# Allegro board A523-EVB-AXP717C-LPDDR4-4X-32X1-V1-0.brd (continued)
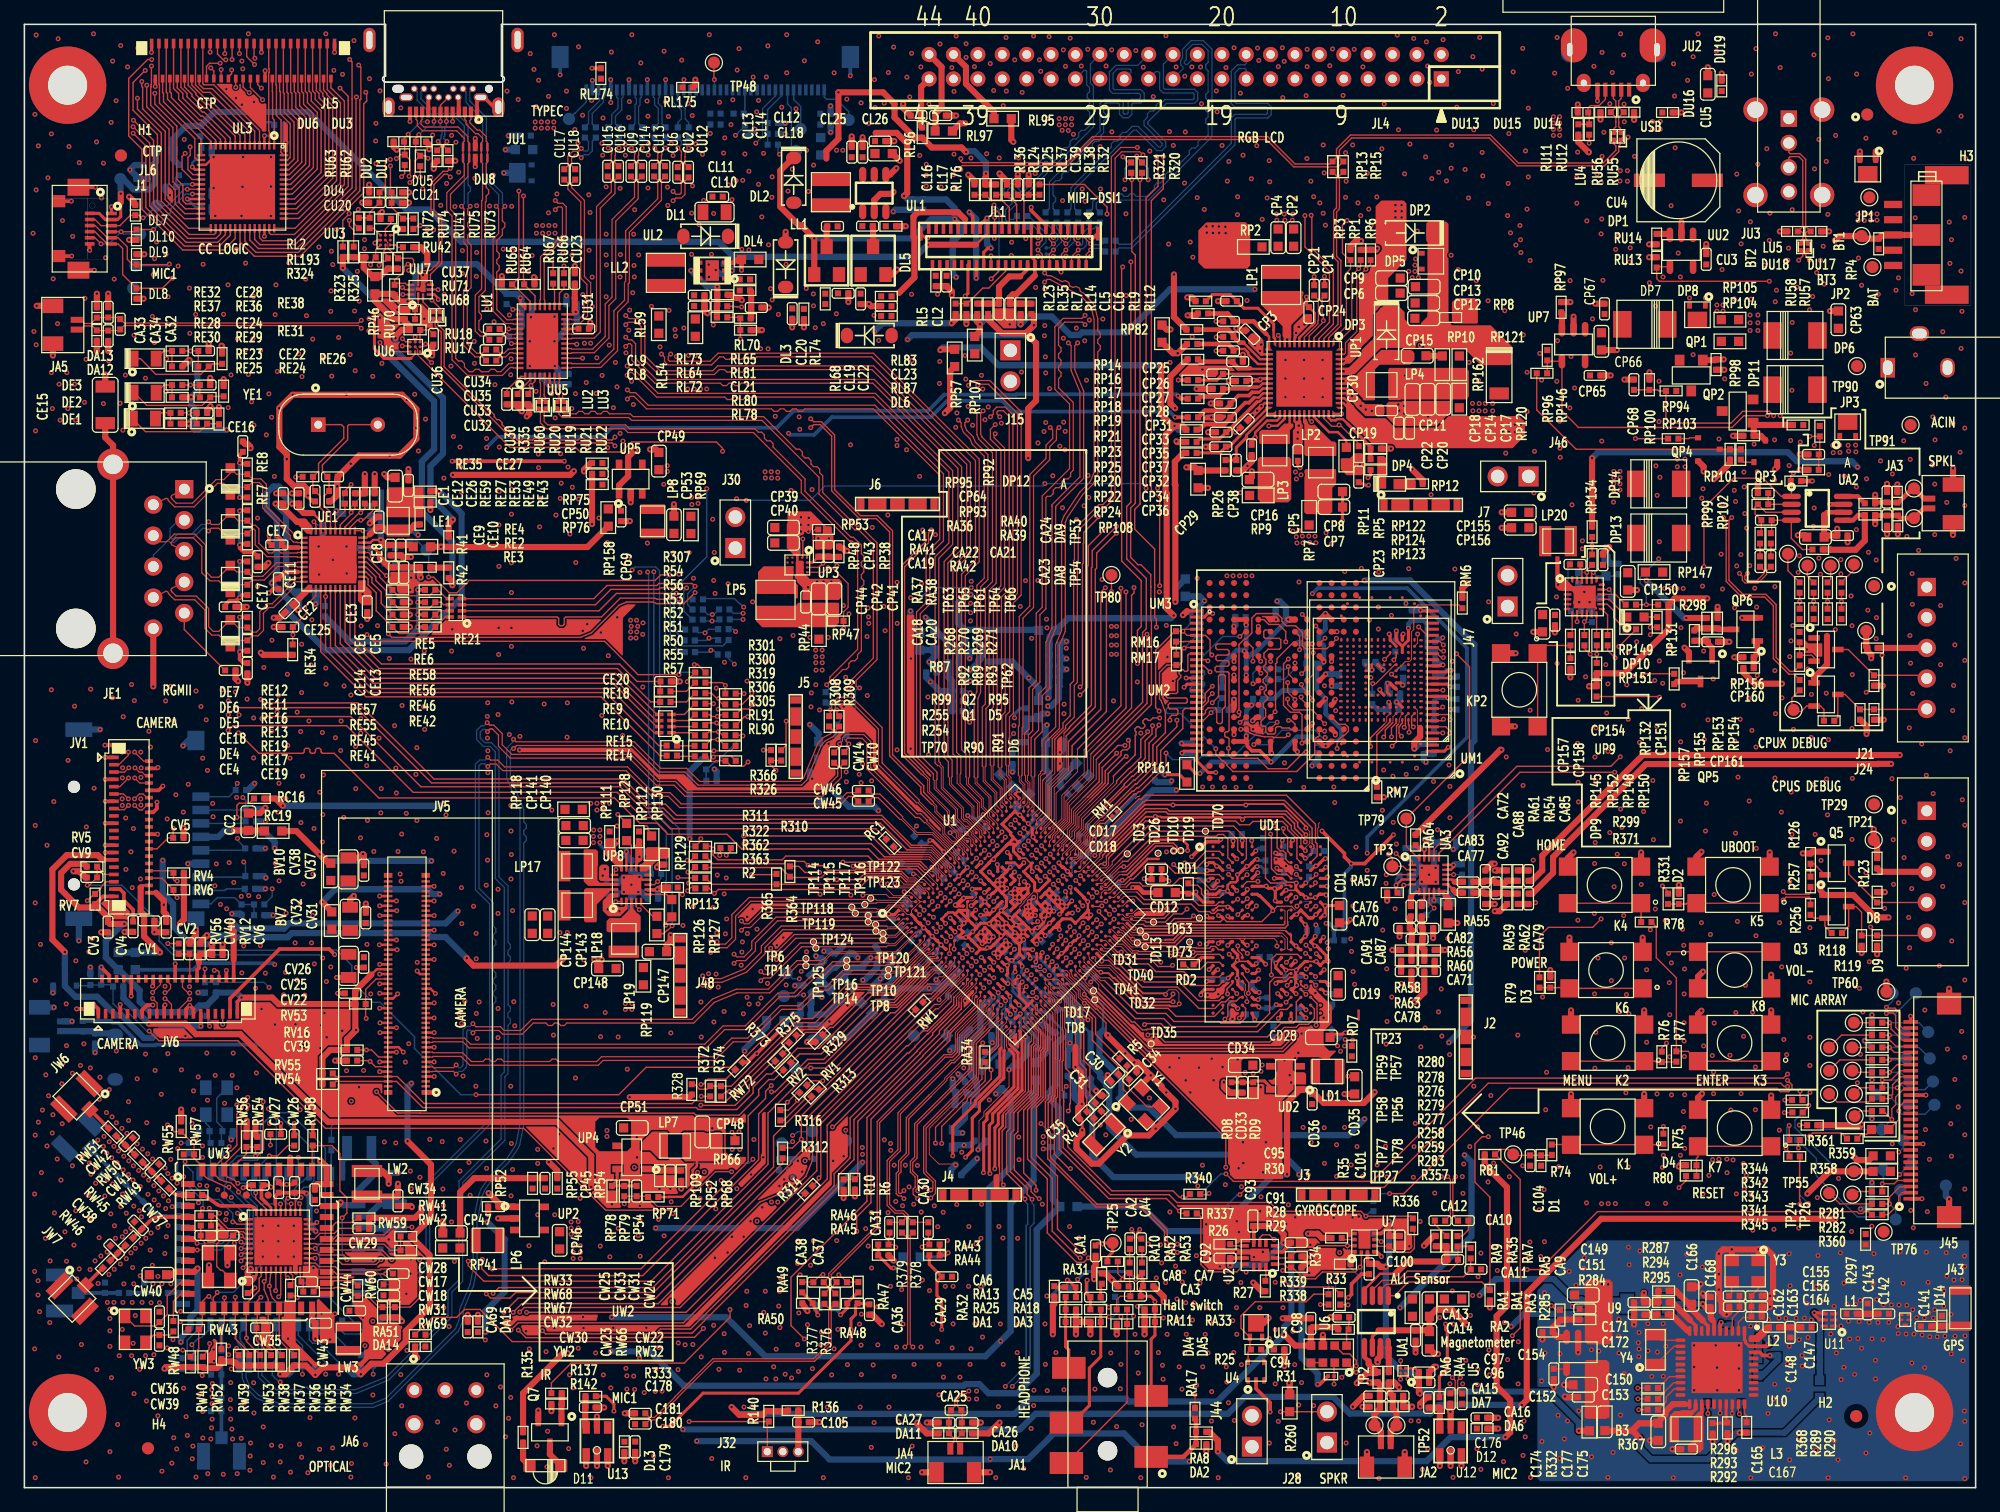
[diagram p0: board, top side]
## Routing (per net, layer and track width the routed paths; a pad name or vN(x,y) marks a point on that pad's centre or on a via; arc(x,y) is an arc through that point) (continued)
  BOTTOM w0.102: v1(66.67,65.84) 66.52,65.84 66.39,65.72 66.39,65.42 RU16.1
USB3-RXP-1: length 2.1
  TOP w0.102: LU2.2 42.71,89.41 42.62,89.51 42.62,89.65 42.62,89.66 42.62,90.57 42.67,90.62 UU5.5
USB3-TXN: length 47.7
  TOP w0.102: v1(67.59,65.58) 67.89,65.88 67.89,66.31 69.61,68.03 69.61,77.35 68.41,78.54 68.09,78.54 65.16,81.48 65.16,82.85 60.49,87.53 49.79,87.53 49.56,87.76 44.11,87.76 43.83,88.04 43.83,88.35 LU3.4
  BOTTOM w0.102: v1(67.59,65.58) 67.82,65.35 67.82,64.01 66.89,63.08 66.89,62.86 CU11.2
USB3-TXN-1: length 2.3
  TOP w0.102: LU3.3 43.74,89.14 43.84,89.24 43.84,89.65 43.52,89.97 43.52,90.57 43.47,90.62 UU5.7
USB3-TXP: length 48.8
  TOP w0.102: v1(68.48,65.58) 68.35,65.58 68.19,65.74 68.19,66.19 69.91,67.91 69.91,77.48 68.54,78.85 68.22,78.85 65.46,81.61 65.46,82.98 65.21,83.23 65.21,83.51 65,83.73 64.71,83.73 64.5,83.94 64.5,84.23 64.28,84.44 64,84.44 63.78,84.66 63.78,84.94 63.57,85.16 63.28,85.16 60.61,87.83 50.04,87.83 50.04,87.83 49.91,87.83 49.68,88.06 47.98,88.06 47.78,88.26 47.47,88.26 47.27,88.06 46.97,88.06 46.77,88.26 46.46,88.26 46.26,88.06 45.96,88.06 45.76,88.26 45.45,88.26 45.25,88.06 44.24,88.06 44.14,88.16 44.14,88.34 LU3.1
  BOTTOM w0.102: CU10.2 67.19,62.81 67.19,62.95 68.13,63.89 68.13,65.36 68.35,65.58 v1(68.48,65.58)
USB3-TXP-1: length 2.3
  TOP w0.102: LU3.2 44.24,89.14 44.14,89.24 44.14,89.78 43.82,90.1 43.82,90.57 43.87,90.62 UU5.8
USB-VBUSDET: length 73.2
  TOP w0.114: R342.1 146.28,31.23 146.28,31.31 v1(146.32,31.35) ; v1(143.43,87.91) 143.43,87.91 143.08,88.27 140.9,88.27 139.93,87.3 135,87.3 134.6,87.7 RP94.1 134.01,89.94 133.93,90.02 RP100.2 CP68.2
  L4 w0.114: v1(143.43,87.91) 143.43,87.78 143.15,87.5 143.15,53.53 146.04,50.64 146.04,31.62 v1(146.32,31.35)
USBVBUS:
  vias: v1(133.5,112.04) v1(133.5,111.4) v1(134.14,112.04) v1(134.14,111.4) v1(135.53,84.35) v1(135.53,83.72) v1(136.17,84.35) v1(136.17,83.72) v1(138.78,96.98) v1(138.78,96.48) v1(139.28,96.98) v1(139.28,96.48)
USBVBUS-H: length 8.7
  TOP w0.33: JU1.B4 33.12,113.97 JU1.A9 ; JU1.A4 35.62,113.97 JU1.B9
  TOP w0.508: RP153.2 v1(136.27,71.32)
  BOTTOM w0.508: v1(136.27,71.32) 136.08,71.32 v1(133,74.4)
  vias: v1(33.02,103.17) v1(33.55,103.15) v1(41.88,112) v1(41.88,111.49) v1(41.99,103.5) v1(41.99,102.88) v1(42.39,112) v1(42.39,111.49) v1(42.5,103.5) v1(42.49,102.88) v1(42.9,112) v1(42.9,111.49) v1(43.01,103.5) v1(43,102.88) v1(43.41,112) v1(43.41,111.49) v1(43.52,103.5) v1(43.51,102.88) v1(84.85,112.28) v1(84.86,111.76) v1(85.09,111.31) v1(85.36,112.28) v1(85.36,111.76) v1(85.6,111.29) v1(85.86,112.28) v1(85.87,111.76) v1(125.37,112.42) v1(125.37,111.91) v1(125.37,111.4) v1(125.37,110.9) v1(125.88,112.42) v1(125.88,111.91) v1(125.88,111.4) v1(125.88,110.9) v1(130.33,83.34) v1(130.33,82.83) v1(130.33,82.32) v1(130.33,81.81) v1(130.84,83.34) v1(130.84,82.83) v1(130.84,82.32) v1(130.84,81.81)
VCM-ADC: length 12.8
  TOP w0.203: U1.U6 78.75,43.2 v1(78.47,43.49)
  L3 w0.203: 77.75,42.24 78.47,42.96 v1(78.47,43.49)
  L3 w0.508: v1(76.57,33.92) 75.31,35.18 75.31,39.52 77.75,41.96 77.75,42.24
  BOTTOM w0.508: C67.1 77.15,33.34 v1(76.57,33.92)
VCOM: length 2.3
  BOTTOM w0.508: RL1.1 76.12,99.54 v1(76.4,99.26)
VGH-LCD: length 16.3
  TOP w0.254: JL1.34 77.37,100.25 77.37,97.94 v1(77.14,97.71)
  L3 w0.508: v1(64.71,96.92) 66.01,98.22 70.23,98.22 71.22,97.23 76.66,97.23 v1(77.14,97.71)
VGL-LCD: length 12.2
  TOP w0.254: 77.14,104.01 77.16,103.99 JL1.35
  TOP w0.508: 77.14,104.01 76.55,104.6 73.26,104.6 72.9,104.24 72.9,102.59 72.98,102.51 72.98,99.24 71.71,97.97
VLED+: length 29.5
  TOP w0.254: JL1.33 77.76,104.32 v1(77.48,104.6) ; v1(78.05,99.19) 78.05,99.54 78.06,99.55 JL1.32
  L3 w0.508: v1(58.03,105.63) 60.08,103.58 63.38,103.58 63.95,103.01 70.94,103.01 72.53,104.6 v1(77.48,104.6)
  BOTTOM w0.508: v1(78.05,99.19) 78.05,99.59 78.05,99.6 78.05,104.03 v1(77.48,104.6)
VLED-: length 24.2
  TOP w0.254: JL1.30 78.66,101.3 79.01,101.65 v1(79.25,101.65) ; JL1.31 78.36,103.52 78.55,103.72 78.55,103.73 78.7,103.88 78.71,103.88 v1(78.93,104.09)
  L3 w0.508: v1(61.02,101.92) 63.23,101.92 63.65,101.5 72.97,101.5 73.46,101.02 75.25,101.02 75.89,101.65 v1(79.25,101.65)
  BOTTOM w0.508: v1(79.25,101.65) 78.93,101.97 v1(78.93,104.09)
VMID: length 3.1
  TOP w0.203: UP1.48 108.71,91.74 109.07,92.1 ; 109.3,91.85 108.79,91.34 UP1.47
VPS0: length 3.1
  TOP w0.254: v1(116.98,67.02) 116.71,67.02 116.59,66.9 UM3.38
  BOTTOM w0.381: RM11.1 116.27,66.65 116.64,67.02 v1(116.98,67.02)
VPS1: length 1.7
  TOP w0.114: v1(116.31,61.9) UM3.28
  BOTTOM w0.114: v1(116.31,61.9) 115.78,61.9 RM12.1
VRA1: length 7.1
  TOP w0.254: U1.AC4 80.45,39.99 v1(80.45,39.93)
  BOTTOM w0.127: v1(80.45,39.93) 80.45,39.43 80.15,39.13 80.15,38.01
  BOTTOM w0.254: C64.1 78.98,34.62 78.98,34.83 80.15,36 80.15,38.01
VRA2: length 5.9
  TOP w0.076: U1.AC3 80.04,39.69 80.04,39.6 v1(80.08,39.57)
  BOTTOM w0.254: v1(80.08,39.57) 79.78,39.27 79.78,36.76 79.82,36.72 79.82,36.24 79.57,35.99 79.38,35.99 78.47,35.07 C65.1
VREFP-ADC: length 14.4
  TOP w0.254: U1.W6 79.16,42.7 79.15,42.7 v1(79.15,42.7)
  L4 w0.203: v1(79.15,42.7) 79.87,41.98 79.87,41.65 77.9,39.68 77.9,38.9
  L4 w0.508: v1(76.12,33.53) 75.34,34.32 75.34,36.07 77.9,38.63 77.9,38.9
  BOTTOM w0.508: R13.2 76.36,31.45 C68.1 76.12,32.67 v1(76.12,33.53)
VREFQ: length 12.3
  TOP w0.254: UM2.M5 v1(105.63,69.19)
  TOP w0.381: v1(100.71,62.89) 101.01,63.19 UM2.F9
  BOTTOM w0.381: v1(100.71,62.89) 101.01,63.19 CM5.1 101.44,63.25 101.44,64.53 RM4.1 102.47,64.69 103.15,65.37 104.92,65.37 105.23,65.68 105.23,67.48 CM7.2 105.12,67.59 105.12,68.71 105.06,68.77 105.06,68.92 104.79,69.19 ; v1(105.63,69.19) 104.79,69.19 ; 104.79,69.19 104.77,69.22 104.61,69.22 RM5.2
VRP: length 3.5
  TOP w0.102: v1(79.85,40.59) U1.AA4
  BOTTOM w0.254: v1(79.85,40.59) 79.9,40.54 79.9,39.98 79.24,39.32 C66.1 79.24,38.18 79.3,38.12 R143.1
WIFI-XTAL-IN: length 7.9
  TOP w0.114: YW3.1 9.04,13.26 10.76,13.26 CW36.1 11.71,14.21 11.71,15.72 12.78,16.79 UW3.10
WIFI-XTAL-OUT: length 3.1
  TOP w0.114: RW48.1 12.22,15.27 12.84,15.89 UW3.11
WL-REG-ON: length 134.9
  TOP w0.076: 82.57,36.63 82.57,37.17 U1.AJ3
  TOP w0.114: v1(80.28,24.82) 80.17,24.93 80.17,29.25 80.48,29.56 80.48,30.63 82.33,32.48 82.33,36.39 82.57,36.63 ; v1(15.14,15.68) 15.01,15.68 14.59,15.27 UW3.12 14.59,13.28 RW43.2 14.29,11.39 RW40.1 ; v1(23.85,19.6) 23.85,19.61 UW2.24
  L3 w0.114: v1(23.85,19.6) 32.79,19.6 34.68,17.71 37.51,17.71 38.11,18.31 38.6,18.31 41.68,15.23 41.68,12.96 47.7,6.94 49.15,6.94 50.04,6.05 59.05,6.05 v1(59.63,6.62) ; v1(80.28,24.82) 79.79,24.33 75.49,24.33 74.79,25.03 71.18,25.03 68.66,22.5 60.74,22.5 v1(60.07,21.84)
  L4 w0.114: v1(59.63,6.62) 59.63,10.55 60.07,11 v1(60.07,21.84)
  BOTTOM w0.114: v1(15.14,15.68) 15.6,15.22 21.44,15.22 24.2,17.97 24.2,19.26 v1(23.85,19.6) 24.67,20.42 24.67,27.84 21.76,30.75 20.46,30.75 19.35,29.64 19.35,27.09 19.1,26.84 17.57,26.84 17.06,26.33 UW1.15
WL-SDIO-CLK: length 80.8
  TOP w0.114: v1(19.39,15.61) 19.09,15.31 UW3.17 19.09,13.17 CW35.2 19.03,12.05 RW36.1 ; RW1.2 73.07,39.21 64.17,30.3 64.17,30.16 64.16,30.15 64.16,28.09 62.84,26.77 62.84,26.61 51.78,15.54 40.49,15.54 v1(39.32,14.38) ; UW2.16 21.02,15.82 v1(20.85,15.65)
  L3 w0.114: v1(39.32,14.38) 38.7,13.76 36.02,13.76 35.42,14.37 33.73,14.37 33.44,14.66 27.7,14.66 26.9,13.86 23.68,13.86 23.57,13.75 23.57,12.88 23.45,12.77 23.22,12.77 23.11,12.88 23.11,14.49 22.97,14.63 22.77,14.63 22.65,14.51 22.65,12.77 22.54,12.66 22.31,12.66 22.17,12.8 22.17,14.55 22.05,14.66 21.7,14.66 20.85,15.5 v1(20.85,15.65)
  L4 w0.114: v1(20.85,15.65) 19.43,15.65 v1(19.39,15.61)
WL-SDIO-CMD: length 82.2
  TOP w0.076: 76.36,41.77 76.55,41.95 76.55,42.31 U1.R2
  TOP w0.114: v1(40.08,14.38) 40.08,14.38 40.79,15.09 51.97,15.09 60.3,23.42 62.33,24.26 62.8,24.26 64.08,25.54 64.62,26.85 64.62,30.11 76.28,41.77 76.36,41.77 ; UW2.12 19.42,17.34 19.25,17.17 19.25,16.15 18.19,15.09 UW3.16 18.19,12.29 v1(18.21,12.27) 18.21,11.98 RW37.1
  L3 w0.114: v1(18.21,12.27) 18.63,11.86 24.04,11.86 25.46,13.27 27.68,13.27 28.62,14.2 33.25,14.2 33.54,13.91 35.23,13.91 35.84,13.3 39.01,13.3 v1(40.08,14.38)
WL-SDIO-D0: length 61.4
  TOP w0.114: UW2.13 19.82,17.08 v1(19.66,16.92) 19.66,16.24 19.99,15.44 UW3.18 19.99,13.84 20.37,13.46 20.37,11.6 RW35.1 ; v1(37.88,15.89) 38.22,15.54 39.83,15.54 40.28,16 51.58,16 60.7,25.12 60.7,25.12 62.18,26.6 R312.1
  L3 w0.114: v1(19.66,16.92) 18.84,16.92 18.72,17.03 18.72,17.41 18.84,17.53 20.65,17.53 21.77,16.41 27.48,16.41 27.7,16.19 30.67,16.19 30.76,16.28 32.1,16.28 32.21,16.17 32.21,15.95 32.33,15.84 32.56,15.84 32.67,15.95 32.67,16.17 32.79,16.28 33.01,16.28 33.13,16.17 33.13,15.95 33.24,15.84 33.47,15.84 33.59,15.95 33.59,16.17 33.7,16.28 33.93,16.28 34.04,16.17 34.04,15.95 34.16,15.84 34.39,15.84 34.5,15.95 34.5,16.17 34.61,16.28 34.84,16.28 34.96,16.17 34.96,15.95 35.07,15.84 35.3,15.84 35.41,15.95 35.41,16.17 35.53,16.28 35.76,16.28 35.87,16.17 35.87,15.95 35.99,15.84 36.21,15.84 36.33,15.95 36.33,16.17 36.44,16.28 37.49,16.28 v1(37.88,15.89)
WL-SDIO-D1: length 66.5
  TOP w0.114: v1(38.43,15.93) 38.91,16.41 51.54,16.41 61.43,26.3 61.43,26.74 61.43,26.74 61.43,28.83 64.54,31.94 R313.1 ; RW34.1 20.89,12.09 UW3.19 20.89,15 20.33,15.56 20.22,15.83 v1(20.09,16.54) UW2.14
  L3 w0.114: v1(38.43,15.93) 38.02,15.52 27.88,15.52 27.31,16.09 26.34,16.09 26.23,15.98 26.23,15.29 26.11,15.18 25.88,15.18 25.77,15.29 25.77,15.98 25.66,16.09 25.43,16.09 25.31,15.98 25.31,15.3 25.2,15.19 24.97,15.19 24.86,15.3 24.86,15.98 24.74,16.09 24.51,16.09 24.4,15.98 24.4,15.29 24.28,15.17 24.06,15.17 23.94,15.29 23.94,15.98 23.83,16.09 23.6,16.09 23.48,15.98 23.48,15.66 23.37,15.54 23.14,15.54 23.03,15.66 23.03,15.98 22.91,16.09 21.58,16.09 21.13,16.54 v1(20.09,16.54)
WL-SDIO-D2: length 61.9
  TOP w0.114: UW2.17 21.42,17.37 v1(21.59,17.2) ; v1(16.41,15.58) 16.39,15.56 UW3.14 16.39,13.47 16.15,13.23 RW39.1 ; v1(41.17,14.38) 54.26,14.38 R314.1
  L3 w0.114: v1(41.17,14.38) 41.17,15.2 40.65,15.73 40.49,15.73 40.3,15.54 40.14,15.54 39.98,15.7 39.98,15.86 40.17,16.05 40.17,16.21 39.77,16.61 39.38,16.61 39.27,16.5 39.27,15.6 39.15,15.49 38.93,15.49 38.81,15.6 38.81,16.5 38.7,16.61 28.86,16.61 28.77,16.52 27.82,16.52 27.5,16.84 21.94,16.84 v1(21.59,17.2)
  L4 w0.114: v1(21.59,17.2) 21.46,17.32 18.15,17.32 v1(16.41,15.58)
WL-SDIO-D3: length 85.7
  TOP w0.076: 74.89,39.63 75.06,39.63 75.56,40.12 75.56,40.51 76.99,41.93 U1.T2
  TOP w0.114: v1(17.29,15.62) UW3.15 17.29,12.22 18.44,11.07 RW38.1 ; v1(20.6,16.15) 20.62,16.17 UW2.15 ; v1(40.61,14.4) 40.98,14.77 53.76,14.77 64.98,25.99 64.98,29.97 74.64,39.63 74.89,39.63
  L3 w0.114: v1(20.6,16.15) 20.96,16.15 22,15.12 23.22,15.12 23.51,14.83 26.42,14.83 26.71,15.12 35.67,15.12 35.78,15.01 35.78,14.71 35.9,14.59 36.13,14.59 36.24,14.71 36.24,15.01 36.35,15.12 36.58,15.12 36.7,15.01 36.7,14.71 36.81,14.59 37.04,14.59 37.15,14.71 37.15,15.01 37.27,15.12 37.5,15.12 37.61,15.01 37.61,14.37 37.73,14.26 37.95,14.26 38.07,14.37 38.07,15.01 38.18,15.12 38.41,15.12 38.53,15.01 38.53,14.71 38.64,14.59 38.87,14.59 38.98,14.71 38.98,15.01 39.1,15.12 39.9,15.12 v1(40.61,14.4)
  L4 w0.114: v1(20.6,16.15) 19.25,16.15 18.71,15.61 17.3,15.61 v1(17.29,15.62)
WL-WAKE-AP: length 122.3
  TOP w0.076: U1.AJ4 82.78,37.66 82.78,37.56 82.95,37.39 82.95,36.35
  TOP w0.114: UW3.13 15.49,15.6 15.8,15.91 15.8,15.98 15.81,15.99 v1(15.81,16.01) ; 82.95,36.35 82.75,36.15 82.75,32.36 81.14,30.74 81.14,29.31 80.85,29.03 80.85,25.9 82.22,24.54 82.22,24.05 v1(82.62,23.65) ; v1(21,23.27) 21,23.17 21.02,23.15 UW2.35
  L3 w0.114: v1(52.29,7.91) 52.37,7.99 74.07,7.99 74.77,8.7 80.56,8.7 80.96,8.3 v1(81.01,8.3)
  L4 w0.114: v1(52.29,7.91) 46.66,13.54 45.57,13.54 36.72,22.38 30.2,22.38 26.75,25.83 24.35,25.83 22.73,27.44 21.66,27.44 20.83,26.61 20.83,23.43 v1(21,23.27)
  BOTTOM w0.114: UW1.16 17.96,25.39 18.07,25.28 18.21,25.28 18.61,24.88 18.61,24.31 18.61,24.31 18.61,24.03 19.37,23.27 v1(21,23.27) 21,21.96 21.18,21.77 21.18,20.06 17.14,16.01 v1(15.81,16.01) ; v1(81.01,8.3) 82.47,9.77 82.47,21.36 82.78,21.67 82.78,23.16 82.62,23.32 v1(82.62,23.65)
WREQIN: length 130.5
  TOP w0.114: v1(22.38,15.6) 22.24,15.74 22.12,15.74 RW66.1 ; v1(84.27,43.14) 84.06,42.92 U1.AE13
  L3 w0.114: v1(49.4,8.08) 49.46,8.08 49.9,7.65 49.91,7.65 50.42,7.14 52.6,7.14 52.76,7.3 74.4,7.3 74.79,6.91 78.61,6.91 79.11,7.41 84.54,7.41 85.87,6.08 96.56,6.08 98.78,8.29 102.35,8.29 v1(102.57,8.51)
  L4 w0.076: v1(84.27,43.14) 84.74,43.14 86.16,41.71 86.16,41.55 86.58,41.13 86.58,39.57
  L4 w0.114: 86.58,39.57 86.85,39.31 86.85,38.51 86.84,38.51 86.84,38.21 87.57,37.48 87.57,33.35 86.31,32.09 86.31,30.28 86.3,30.27 86.3,29.13 92.55,22.87 92.62,22.87 95.58,19.92 95.58,18.95 98.42,16.11 98.42,12.65 v1(102.57,8.51) ; v1(49.4,8.08) 49.4,8.18 47.93,9.65 31.99,9.65 30.31,11.33 v1(29.82,11.33)
  BOTTOM w0.114: v1(22.38,15.6) 25.01,15.6 28.72,11.89 R334.1 29.36,11.8 v1(29.82,11.33)
X32KIN: length 13.5
  TOP w0.076: 85.92,39.35 85.77,39.49 85.77,40.25 84.91,41.12 84.91,41.19 U1.AH12
  TOP w0.102: C31.1 87.8,31.39 R4.1
  TOP w0.114: Y2.1 88.35,30.88 R4.1 ; C31.1 87.8,31.73 87.37,32.16 87.37,34.52 86.87,35.03 86.87,38.4 85.92,39.35
X32KOUT: length 14.6
  TOP w0.076: U1.AH11 84.76,40.98 85.6,40.15 85.6,39.38 85.73,39.25
  TOP w0.102: C35.1 87.14,30.85 R4.2
  TOP w0.114: Y2.2 87.71,28.13 R4.2 ; 85.73,39.25 86.6,38.38 86.6,36.03 86.57,36 86.57,34.8 87.05,34.32 87.05,32.02 87.12,31.95 C35.1
XTAL1: length 6.7
  TOP w0.114: UW2.4 18.13,20.81 17.95,20.98 17.46,20.98 17.32,20.93 CW30.1 16.68,20.24 16.03,20.24 15.77,19.99 15.77,18.14 16.09,17.82 16.23,17.82 16.87,17.19 16.87,17 YW2.1
XTAL2: length 4.4
  TOP w0.114: RW67.1 RW68.1 15.62,22.3 16.69,21.23 18.18,21.23 18.25,21.21 UW2.3
XTAL-I: length 3.1
  TOP w0.114: C162.1 C163.2 140.64,14.5 140.04,13.91 U10.3
XTAL-IN: length 12.6
  TOP w0.114: YE1.2 26.62,87.18 26.5,87.06 26.5,85.93 24.44,83.86 24.44,83.3 CE27.1 24.99,82.76 RE59.2 24.57,81.32 24.57,80.52 25.1,79.99 UE1.36
XTAL-OUT: length 12.2
  TOP w0.114: YE1.1 26,87.18 26.19,86.99 26.19,86.06 24.12,83.99 24.12,83.35 RE35.2 23.66,81.9 CE26.1 24.25,81.31 24.25,80.37 24.7,79.92 UE1.37
N1087342: length 1.3
  TOP w0.508: CP15.1 116.25,92.82 RP10.2
N1088466: length 8.4
  TOP w0.203: UP1.13 102.55,94.23 102.44,94.34 102.44,94.91
  TOP w0.254: RP14.2 97.42,97.84 98.88,97.84 CP25.1 100,96.72 101.14,96.72 102.44,95.43 102.44,94.91
N1088629: length 6.9
  TOP w0.203: 101.84,94.6 102.06,94.39 UP1.14
  TOP w0.381: RP16.2 98.65,96.29 99.15,95.79 CP26.1 100.8,95.64 101.84,94.6
N1088707: length 7
  TOP w0.203: 99.96,93.9 101.32,92.54 UP1.16
  TOP w0.381: 99.96,93.9 99.62,93.9 CP27.1 99.15,94.53 98.71,94.97 RP17.2
N1088786: length 6.8
  TOP w0.203: CP28.1 99.3,93.38 100.05,93.38 100.34,93.09 100.34,92.95 101.15,92.14 UP1.17
  TOP w0.381: RP18.2 98.7,93.79 99.15,93.34 CP28.1
N1089598: length 6.2
  TOP w0.203: 100.51,91.8 100.56,91.74 UP1.18
  TOP w0.381: 100.51,91.8 99.54,91.8 99.06,92.28 CP31.1 96.42,92.34 RP19.2
N1089793: length 6
  TOP w0.203: UP1.19 98.29,91.34 CP33.1
  TOP w0.254: CP33.1 97.77,90.83 RP21.2
N1089860: length 6.5
  TOP w0.203: UP1.21 102.06,90.55 101.53,90.55 101.24,90.26 101.09,90.26
  TOP w0.305: CP35.1 100.32,90.11 100.47,90.26 101.09,90.26
  TOP w0.381: CP35.1 98.29,89.87 97.91,89.49 96.43,89.49 RP23.2
N1089928: length 6.9
  TOP w0.203: 101.14,89.83 101.24,89.83 101.56,90.14 UP1.22
  TOP w0.305: CP37.1 99.54,89.56 100.4,89.56 100.67,89.83 101.14,89.83
  TOP w0.381: RP25.2 96.79,88.32 98.4,88.32 98.9,88.82 CP37.1
N1091371: length 7.2
  TOP w0.203: 100.84,89.4 101.22,89.4 101.57,89.74 UP1.23
  TOP w0.305: 100.84,89.4 100.42,88.98 100.1,88.98 CP32.1
  TOP w0.381: RP20.1 96.34,86.76 96.79,87.21 98.4,87.21 98.9,87.71 CP32.1
N1091434: length 7.4
  TOP w0.203: 101.08,89.04 101.24,89.04 101.32,89.12 101.34,89.12 101.56,89.34 UP1.24
  TOP w0.254: RP22.1 96.37,86 97.99,86 CP34.1
  TOP w0.305: 101.08,89.04 98.6,86.56 CP34.1
N1091500: length 7.5
  TOP w0.203: UP1.26 101.96,88.54 99.68,86.27
  TOP w0.254: 99.68,86.27 98.78,85.37 CP36.1 98.02,84.86 RP24.1
N1091567: length 6.3
  TOP w0.203: UP1.27 101.94,88.05 100.21,86.33 100.21,86.13
  TOP w0.254: RP26.1 CP38.1 99.37,85.29 100.21,86.13
N1091840: length 5.4
  TOP w0.076: U1.B12 75.49,50.61 75.49,50.96 74.34,52.11 73.78,52.11
  TOP w0.114: RC1.1 71.74,52.11 73.78,52.11
N1092981: length 14.9
  TOP w0.112: UP1.3 106.55,94.24 107.71,95.4 107.71,100.53 107.36,100.89 107.36,104.72 107.59,104.96 107.59,107.58 RP13.1
N1092985: length 14.9
  TOP w0.112: UP1.2 106.95,94.3 107.95,95.3 107.95,100.63 107.59,100.99 107.59,104.62 107.83,104.86 107.83,107.58 RP15.1
N1093724: length 4.3
  TOP w0.203: UP1.35 105.75,87.79 106.98,86.56 107.71,86.56 108.39,85.87 RP11.1
N1093956: length 4.6
  TOP w0.102: UP1.7 104.95,94.33 106.07,95.45 106.07,95.69 106.1,95.73 106.1,97.42 CP21.1
N1094712: length 0.9
  TOP w0.203: UP1.30 103.75,87.2 103.69,87.14
N1095302: length 1.2
  TOP w0.203: UP1.33 104.95,87.36 105.29,87.02
N1096390: length 2
  TOP w0.203: UP1.11 103.35,94.59 103.46,94.7 103.64,94.7 103.75,94.59 UP1.10
N16421057: length 5.2
  TOP w0.102: R5.2 90.42,33.66 C34.1 90.6,32.69 92.05,31.24 93.2,31.24
N16566582: length 1.4
  TOP w0.508: RP97.1 126.08,96.31 UP7.3
N16566747: length 13.9
  TOP w0.508: v1(139.34,92.53) RP98.2 138.65,92.47 QP1.1
  L3 w0.508: v1(128.58,95.85) 136.02,95.85 v1(139.34,92.53)
N16567953: length 5.5
  TOP w0.508: RP95.1 141.93,87.15 141.8,87.28 ; QP3.3 142.38,86.26 RP101.2 141.8,87.28 ; QP2.1 141.8,87.28
N16568422: length 1.2
  TOP w0.114: QP3.1 140.95,84.1 RP102.2
N16568800: length 1.6
  TOP w0.114: RP103.2 136.47,86.03 136.54,86.09 QP4.1
N16662202: length 2.5
  BOTTOM w0.508: RL63.1 CL15.2 71.4,104.8 v1(71.25,104.65)
N16662230: length 1.7
  TOP w0.508: CL17.2 69.59,103.43 DL5.3
N16662659: length 1.7
  TOP w0.508: CL16.1 65.78,103.38 DL3.3
N16794099: length 5
  TOP w0.203: 18.92,22.88 19.02,22.78 UW2.40
  TOP w0.305: 18.92,22.88 arc(18.67,23.05) 18.39,23.1 16.2,23.1 arc(15.99,23.14) 15.8,23.23 14.84,23.9 arc(14.71,23.97) RW33.1
N16798343: length 7.8
  TOP w0.114: v1(18.97,24.18) 18.97,23.7 19.82,22.85 UW2.38 ; v1(20.09,27.2) 20.75,27.2 21.6,28.05 CW26.1
  BOTTOM w0.114: v1(18.97,24.18) 19.28,24.49 19.28,26.39 v1(20.09,27.2)
N16798378: length 17.1
  TOP w0.114: UW2.2 17.43,21.61 17.25,21.79 v1(17.08,21.79) ; v1(20.17,28.09) CW27.1
  L4 w0.114: v1(13.18,26.73) 13.24,26.67 18.97,26.67 19.56,27.26 19.56,27.48 v1(20.17,28.09)
  BOTTOM w0.114: v1(17.08,21.79) 17.08,22.49 15.94,23.63 15.05,23.63 13.82,24.85 13.82,25.86 13.18,26.51 v1(13.18,26.73)
N16798443: length 7.4
  TOP w0.114: UW2.21 23.86,18.41 24.14,18.12 25.49,18.12 25.76,17.85 29.15,17.85 29.24,17.93 29.83,17.93 CW28.1
N16798500: length 4.6
  TOP w0.114: CW29.1 27.13,21.26 25.83,21.26 25.43,20.85 24.24,20.85 23.79,20.41 UW2.26
N16798814: length 9
  TOP w0.114: RW41.1 RW42.1 30,19.46 29.49,19.96 23.95,19.96 23.91,20.01 UW2.25
N16799414: length 31
  TOP w0.203: 20.57,23.22 20.62,23.17 UW2.36 ; UW2.28 23.7,21.21 v1(23.89,21.02) ; v1(17.73,21.97) 17.76,22.01 UW2.1 ; UW2.22 v1(23.84,18.81)
  TOP w0.305: v1(23.13,24.12) 23.09,24.17 22.99,24.17 22.93,24.23 22.29,24.23 22.25,24.19 22.16,24.19 CW31.1 20.86,24.18 CW33.1 20.57,23.9 20.57,23.22
  TOP w0.508: LW2.2 30.55,23.87 CW34.1 v1(30.63,24.92)
  L3 w0.508: v1(30.63,24.92) 30.63,24.64 27.01,21.02 v1(23.89,21.02) 23.29,20.42 23.29,19.35 v1(23.84,18.81)
  L4 w0.508: v1(17.73,21.97) 17.93,21.97 18.98,20.92 23.79,20.92 v1(23.89,21.02)
  BOTTOM w0.508: v1(23.89,21.02) 23.39,21.51 23.39,23.86 v1(23.13,24.12)
N16799432: length 10.5
  TOP w0.203: v1(23.98,21.75) 23.84,21.62 23.54,21.62 23.54,21.61 UW2.29
  TOP w0.508: LW2.1 29.33,25.97 29.87,25.43 v1(29.87,24.92)
  L3 w0.508: v1(29.87,24.92) 27.66,22.71 25.7,22.71 24.75,21.75 v1(23.98,21.75)
N16800403: length 2.5
  TOP w0.114: RW67.2 CW32.1 14.46,20.41 14.8,20.07 14.8,19.58 15.04,19.34 YW2.3
N16805924: length 2.8
  TOP w0.114: UW3.24 25.22,16.79 25.4,16.97 26.94,16.97 RW60.2
N16806097: length 2.9
  TOP w0.114: RW59.1 26.78,21.74 25.55,21.74 25.1,21.29 UW3.29
N16811138: length 2.2
  TOP w0.305: RW50.1 CW41.2 RW49.2
N16811149: length 2.2
  TOP w0.305: RW50.2 CW42.2 RW51.1
N16811502: length 2.2
  TOP w0.305: RW51.2 JW6.3
N16811571: length 5.2
  TOP w0.305: RW45.1 10.26,21.84 arc(10.65,22.1) 11.1,22.19 UW3.4
N16811677: length 1.8
  TOP w0.305: RW45.2 CW38.2 RW46.1
N16811938: length 2
  TOP w0.305: JW7.3 RW46.2
N16813673: length 2.6
  TOP w0.114: RW48.2 11.92,12.52 CW39.1 10.6,12.52 YW3.3
N16923769: length 1.1
  TOP w0.114: R27.1 101.8,17.01 U2.1
N16924183: length 1.2
  TOP w0.114: U2.7 99.01,19.83 R26.2
N17035175: length 2.8
  TOP w0.203: UP3.A2 64.62,75.87 RP48.2
  TOP w0.508: RP48.2 CP43.2 65.98,76.33 RP38.1
N17035212: length 2.8
  TOP w0.114: RP53.2 64.84,78.58 64.67,78.41 64.67,77.01 64.18,76.52 UP3.A1
N17036421: length 10.8
  TOP w0.508: CP47.1 35.73,24.22 36.88,25.38 RP55.2 CP45.2
N17037266: length 3.6
  TOP w0.254: CP54.1 RP79.1 RP78.2 48.6,25.18 48.6,25.63 48.6,25.63 UP4.5
N17037268: length 5.8
  TOP w0.203: 55.14,27.2 55.14,26.37 54.8,26.02 54.8,24.67 53.98,23.85 52.87,23.85 52.85,23.83 RP71.2
N17038143: length 9.3
  TOP w0.508: CP50.2 RP76.2 v1(46.55,79.02)
  L3 w0.508: v1(46.55,79.02) 47.46,78.1 50.44,78.1 v1(51.08,77.46)
N17044842: length 2.9
  TOP w0.508: RP68.2 CP52.2 RP109.2 51.95,26.13 UP4.1
N17337425: length 5.9
  TOP w0.254: UL2.5 v1(54.66,99.81)
  TOP w0.508: RL72.2 RL64.2 56.81,96.91 RL73.2 v1(56.81,98.5)
  BOTTOM w0.508: v1(56.81,98.5) 55.98,98.5 v1(54.66,99.81)
N17337534: length 2.3
  TOP w0.508: RL81.2 59.59,98.09 CL21.1 59.59,95.93 RL80.1
N17426429: length 1.1
  TOP w0.254: RA31.2 88.26,16.64 CA5.2
N17426431: length 0.9
  TOP w0.254: RA32.2 84.54,16.43 CA6.2
N17426498: length 10.7
  TOP w0.254: JA1.2 85.91,5.32 87.33,6.73 87.33,9.8 88.26,10.74 DA3.2 RA18.2
N17426503: length 6.3
  TOP w0.381: JA1.1 95.03,2.52 DA2.2 RA8.1 96.07,5.59 RA17.2
N17426522: length 5.9
  TOP w0.254: RA13.2 RA25.2 DA1.2 85.38,11.56 85.64,11.29 JA1.4
N17426640: length 14.6
  TOP w0.114: JA1.5 90.42,7 DA4.2 RA11.2
N17467627: length 8.4
  TOP w0.114: R331.2 D2.2 136.25,47.86 136.32,47.93 K5.3 K5.1
N17468103: length 9.2
  TOP w0.114: R75.1 134.33,28.12 K1.1 K1.3 126.8,28.14 R74.2
N17468111: length 8.7
  TOP w0.114: K2.3 K2.1 133.73,34.97 133.8,34.91 R76.2 135.43,34.91 R77.1
N17468127: length 19.6
  TOP w0.114: R78.1 133.81,45.99 133.81,43.46 135.46,41.81 R77.2 136.43,35.78 K3.3 K3.1
N17468131: length 24.5
  TOP w0.114: v1(134.82,43.81) 134.95,43.94 K8.1 K8.3 ; v1(134.65,36.45) 134.26,36.07 R76.1 ; R75.2 v1(134.39,29.62)
  L4 w0.114: v1(134.82,43.81) 134.44,43.43 134.44,36.65 v1(134.65,36.45) 134.44,36.25 134.44,29.67 v1(134.39,29.62)
N17468138: length 7.5
  TOP w0.114: K4.3 K4.1 132.57,46.38 R78.2
N17470655: length 8.5
  TOP w0.114: R79.2 D3.2 126.63,41 K6.3 K6.1
N17471197: length 8.5
  TOP w0.114: R80.2 D4.2 137.1,26.99 137.23,27.12 K7.3 K7.1
N17519084: length 2.8
  TOP w0.114: RE37.1 RE32.2 11.44,93.22 DE3.1
N17519086: length 2.3
  TOP w0.114: RE25.1 RE23.2 11.22,88.14 DE1.1
N17519099: length 7.9
  TOP w0.114: DE1.2 9.92,86.6 14.37,86.6 14.98,87.21 RE24.2 15.91,87.25 RE26.2
N17519105: length 2.6
  TOP w0.114: DE2.1 11.44,90.43 RE28.2 RE30.1
N17519132: length 8.2
  TOP w0.114: RE31.2 15.32,89.49 RE29.2 14.58,88.76 10.03,88.76 9,89.79 DE2.2
N17519160: length 8.2
  TOP w0.114: DE3.2 9.52,92.59 10.2,91.91 10.2,91.88 10.77,91.3 14.46,91.3 RE36.2 15.25,91.95 15.46,92.16 RE38.2
N17519961: length 5.2
  TOP w0.305: RE7.2 v1(17.65,81.2) ; CE16.1 17.65,84.69 v1(17.65,84.04) 17.73,83.96 RE8.2
  BOTTOM w0.305: v1(17.65,81.2) v1(17.65,84.04)
N17519994: length 6.1
  TOP w0.305: RE11.2 17.73,77.39 v1(17.65,77.31) 17.65,77.05 18,76.7 18.79,76.7 CE17.1 ; v1(17.65,80.1) 17.69,80.15 RE12.2
  BOTTOM w0.305: v1(17.65,77.31) v1(17.65,80.1)
N17520011: length 5.5
  TOP w0.305: CE19.1 17.95,67.62 17.65,67.93 v1(17.65,68.55) 17.73,68.63 RE17.2 ; RE19.2 v1(17.65,71.38)
  BOTTOM w0.305: v1(17.65,68.55) v1(17.65,71.38)
N17520013: length 5.9
  TOP w0.305: RE13.2 17.86,73.2 v1(17.65,72.99) 17.45,72.79 17.42,72.79 17.4,72.76 17.4,72.74 16.81,72.74 16.46,72.39 CE18.1 ; RE16.2 v1(17.65,75.96)
  BOTTOM w0.305: v1(17.65,72.99) v1(17.65,75.96)
N17520210: length 6.1
  TOP w0.114: CE4.1 13.11,70.37 JE1.9
N17525369: length 3.4
  TOP w0.508: J32.3 63.46,5.36 C105.2 63.47,6.32 R136.1
N17526407: length 2.2
  TOP w0.508: Q7.1 44.04,6.83 R142.1 R137.2
N17526892: length 4
  TOP w0.508: R95.2 J21.3
N17526894: length 10.1
  TOP w0.114: J21.5 155.95,63.82 D6.2 R91.1 149.29,65.05 Q1.3 148.7,63.18 R90.2
N17526923: length 2.6
  TOP w0.114: R99.2 R255.1 146.54,68.27 146.75,68.06 Q2.2
N17526934: length 8.3
  TOP w0.114: Q2.3 149.55,68.73 D5.2 155.73,66.62 J21.4
N17528681: length 2.1
  TOP w0.508: Q7.3 43.09,2.73 D11.2
N17528689: length 2.1
  TOP w0.508: R135.1 40.89,2.33 D11.1
N17534062: length 5.7
  TOP w0.114: R90.1 147.56,63.82 147.28,64.1 Q1.2 146.14,64.1 145.69,63.65 145.19,63.65 TP70.1 144.93,63.91 144.93,64.75 R254.1
N17535435: length 4.2
  TOP w0.508: R123.2 152.2,50.5 J24.3
N17535437: length 11
  TOP w0.114: R118.2 149.59,46.04 Q3.3 150.19,47.65 150.65,47.19 R119.1 D9.2 155.77,45.28 J24.5
N17535446: length 2.6
  TOP w0.114: Q5.2 146.73,51.16 R126.2 R257.1
N17535460: length 8.3
  TOP w0.114: J24.4 155.97,47.99 D8.2 149.59,50.32 Q5.3
N17535579: length 2.7
  TOP w0.114: R118.1 147.64,46.04 Q3.2 146.73,46.7 R256.1
N17685568: length 1.4
  TOP w0.114: UW2.18 21.82,17.58 22,17.4 22,16.78 RW66.2
N17799135: length 1.6
  TOP w0.114: UP8.8 51.67,49.45 v1(51.92,49.7)
  BOTTOM w0.114: v1(51.92,49.7) 52.22,50 CP135.1
N17799149: length 0.7
  BOTTOM w0.508: CP136.1 48.41,52.82 v1(48.63,53.04)
N17799183: length 1
  BOTTOM w0.508: v1(50.43,51.73) 50.86,52.16 CP137.1
N17799225: length 0.8
  BOTTOM w0.508: CP138.1 51.97,48.98 v1(51.9,49.05)
N17827806: length 1.5
  TOP w0.305: UL2.2 v1(58.03,99.81)
  BOTTOM w0.508: CL27.1 57.5,100.38 58.03,99.85 v1(58.03,99.81)
N17890269: length 5.8
  TOP w0.203: 108.52,87.22 108.11,87.63 107.63,87.63 107.53,87.52 107.17,87.52 107.16,87.54 107.15,87.54 106.95,87.74 UP1.38
  TOP w0.254: 108.52,87.22 110.38,85.36 RP122.1
  TOP w0.381: RP124.2 RP122.1
N17890359: length 0.5
  TOP w0.102: DP4.2 111.24,82.85 111.23,82.86
N17985538: length 2.1
  TOP w0.114: UP8.6 52.66,48.65 RP127.2
N17985543: length 2.4
  TOP w0.114: UP8.13 49.76,52.68 RP128.2
N17985576: length 2.9
  TOP w0.203: 50.97,50.83 UP8.11
  TOP w0.508: RP129.2 51.5,51.94 RP130.2 51.41,52.01 51.41,51.68 51.15,51.42 51.15,51.02 50.97,50.83
N17985621: length 1.9
  TOP w0.114: RP126.2 51.52,46.85 50.56,47.81 UP8.5
N18051541: length 2.2
  TOP w0.114: v1(85.16,50.16) 85.47,49.85 U1.U25
  BOTTOM w0.114: RD5.1 85.9,51.14 85.9,50.43 85.64,50.16 v1(85.16,50.16)
N18054592: length 1.5
  TOP w0.114: v1(100.64,53.06) 100.67,53.03 UD1.A5
  BOTTOM w0.114: v1(100.64,53.06) 100.85,53.27 RD3.1
N18054594: length 1.1
  TOP w0.114: v1(103.15,53.09) 103.07,53 UD1.A8
  BOTTOM w0.114: v1(103.15,53.09) 103.24,52.99 RD4.1
N18054805: length 3.8
  TOP w0.114: UD1.T2 98,43.08 97,43.08 96.42,42.5 95.55,42.5 95.14,42.91 RD2.1
N18054807: length 3.6
  TOP w0.102: 96.2,49.4 95.59,49.4 RD1.1
  TOP w0.114: UD1.G2 98,48.4 96.82,48.4 96.52,48.69 96.52,49.08 96.2,49.4
N18060782: length 13.2
  TOP w0.508: CD33.1 RD8.2 98.86,32.39 98.64,32.61 98.58,32.61 98.37,32.82 98.37,32.87 98.35,32.9 v1(98.35,33.25)
  L3 w0.508: v1(98.35,33.25) 98.5,33.4 102.31,33.4 103.4,34.49 103.56,34.49 103.57,34.51 104.83,34.51 105.61,33.73 v1(108.53,33.73)
N18060885: length 3.7
  TOP w0.254: RD8.1 CD33.2 RD9.2 100.87,33.35 101.67,33.35 102.2,32.82 UD2.5
N18077256: length 10.1
  TOP w0.076: 113.92,70.37 113.74,70.19 113.74,67.91 113.57,67.74 113.24,67.74
  TOP w0.102: RM6.2 117.63,72.39 114.28,72.39 113.92,72.04 113.92,70.37 ; UM1.T5 113.24,67.74
